# KiCad board netrazr_rev2-Left.kicad_pcb
title: NetRazr Keyboard; rev: 2; note: Split KB for use in NetRazr Cyberdeck.
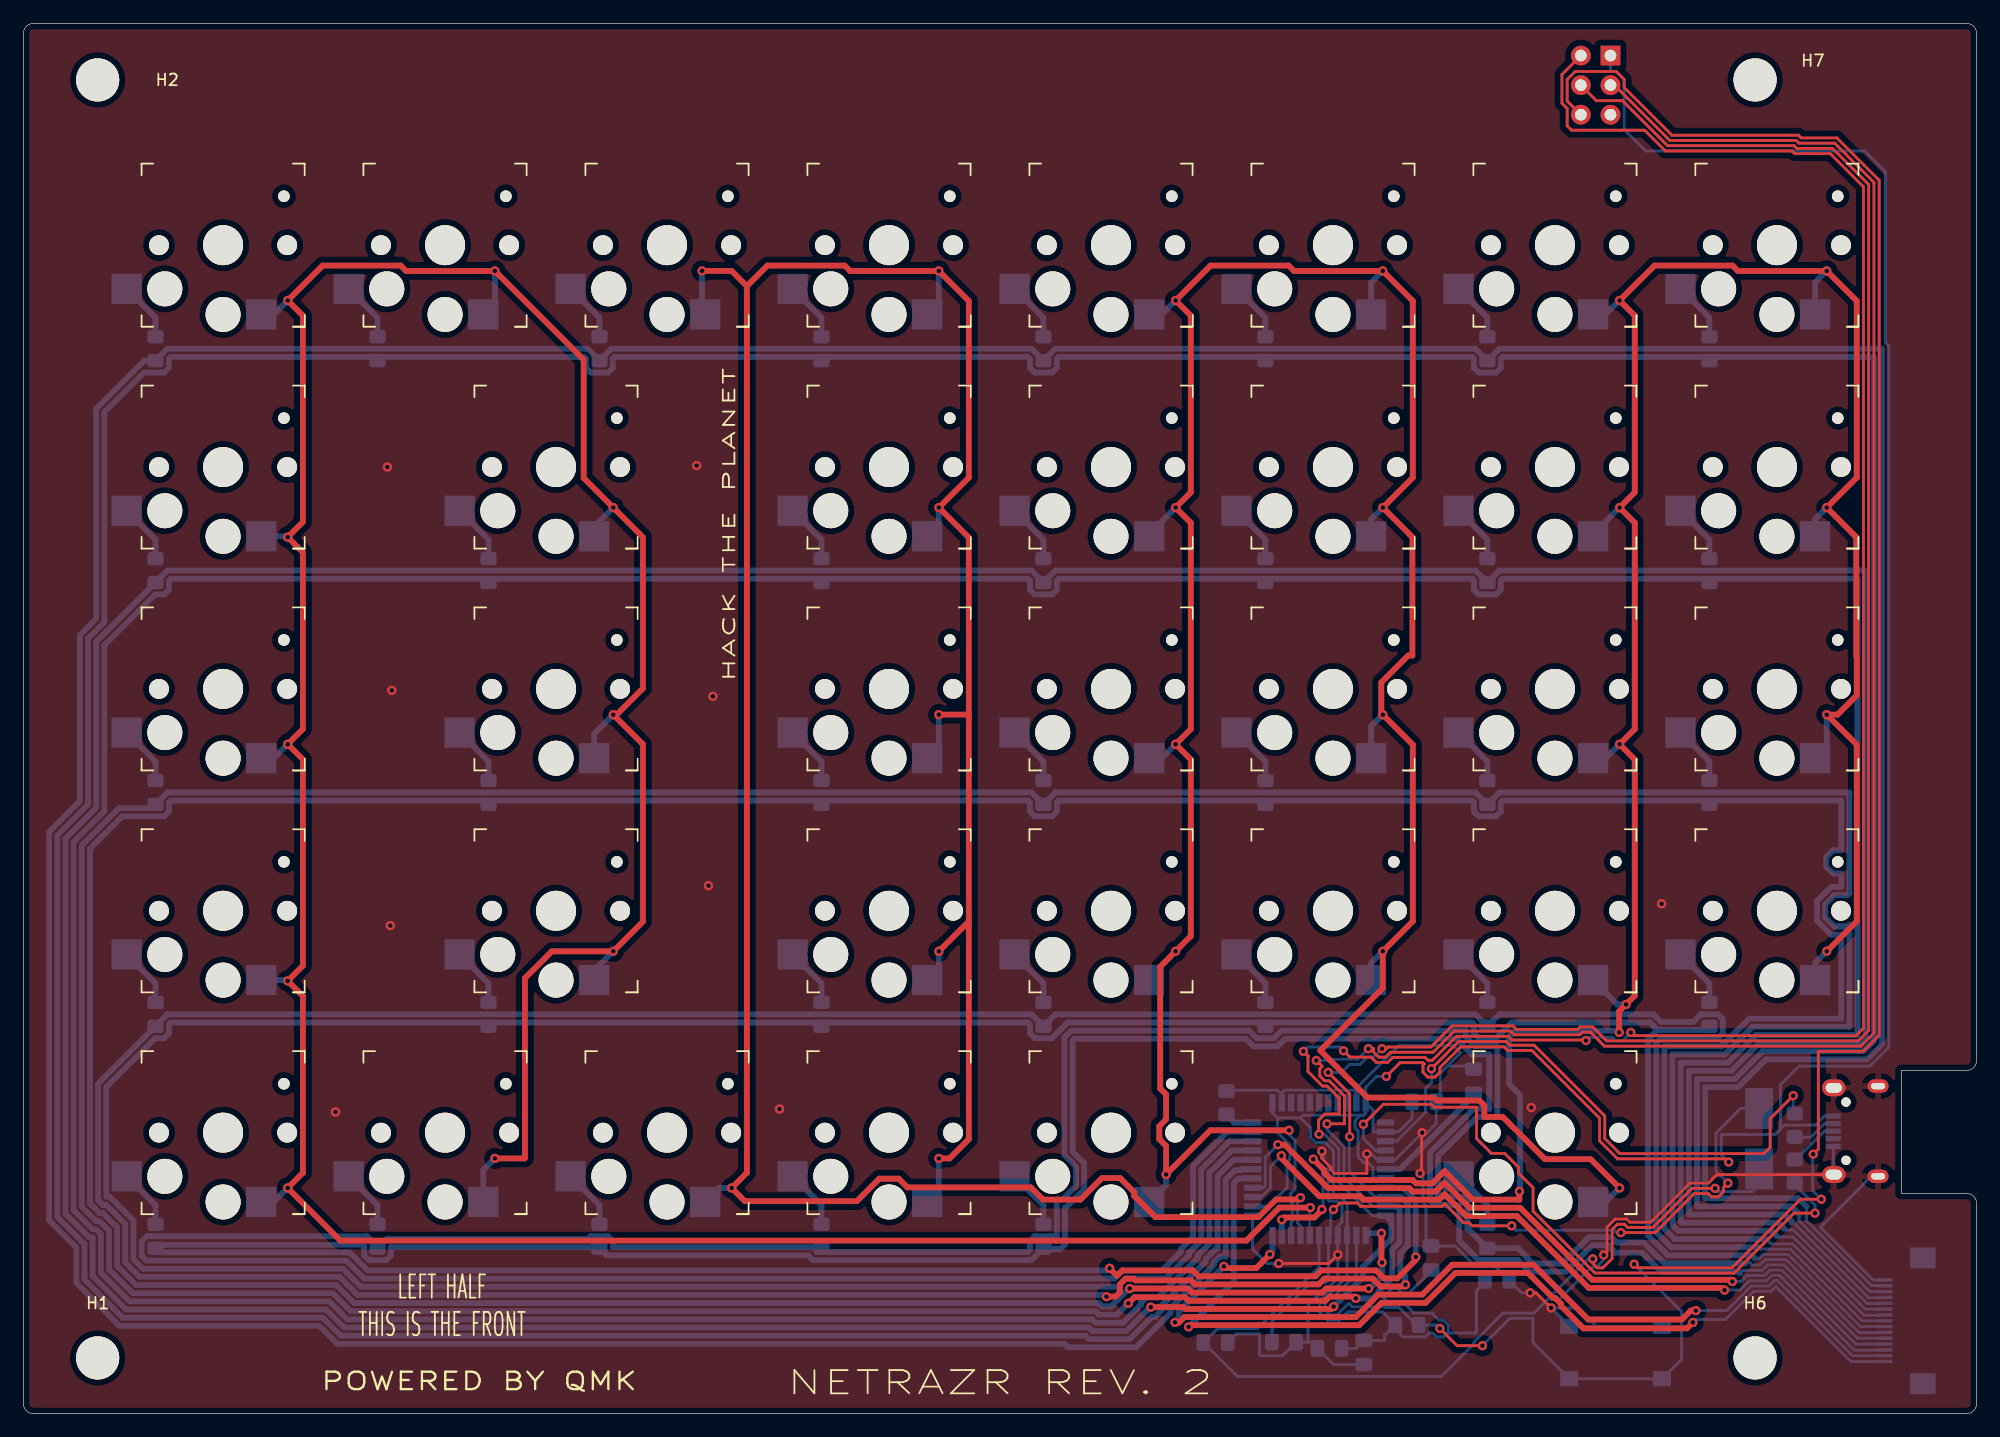
[diagram p0: board, top side]
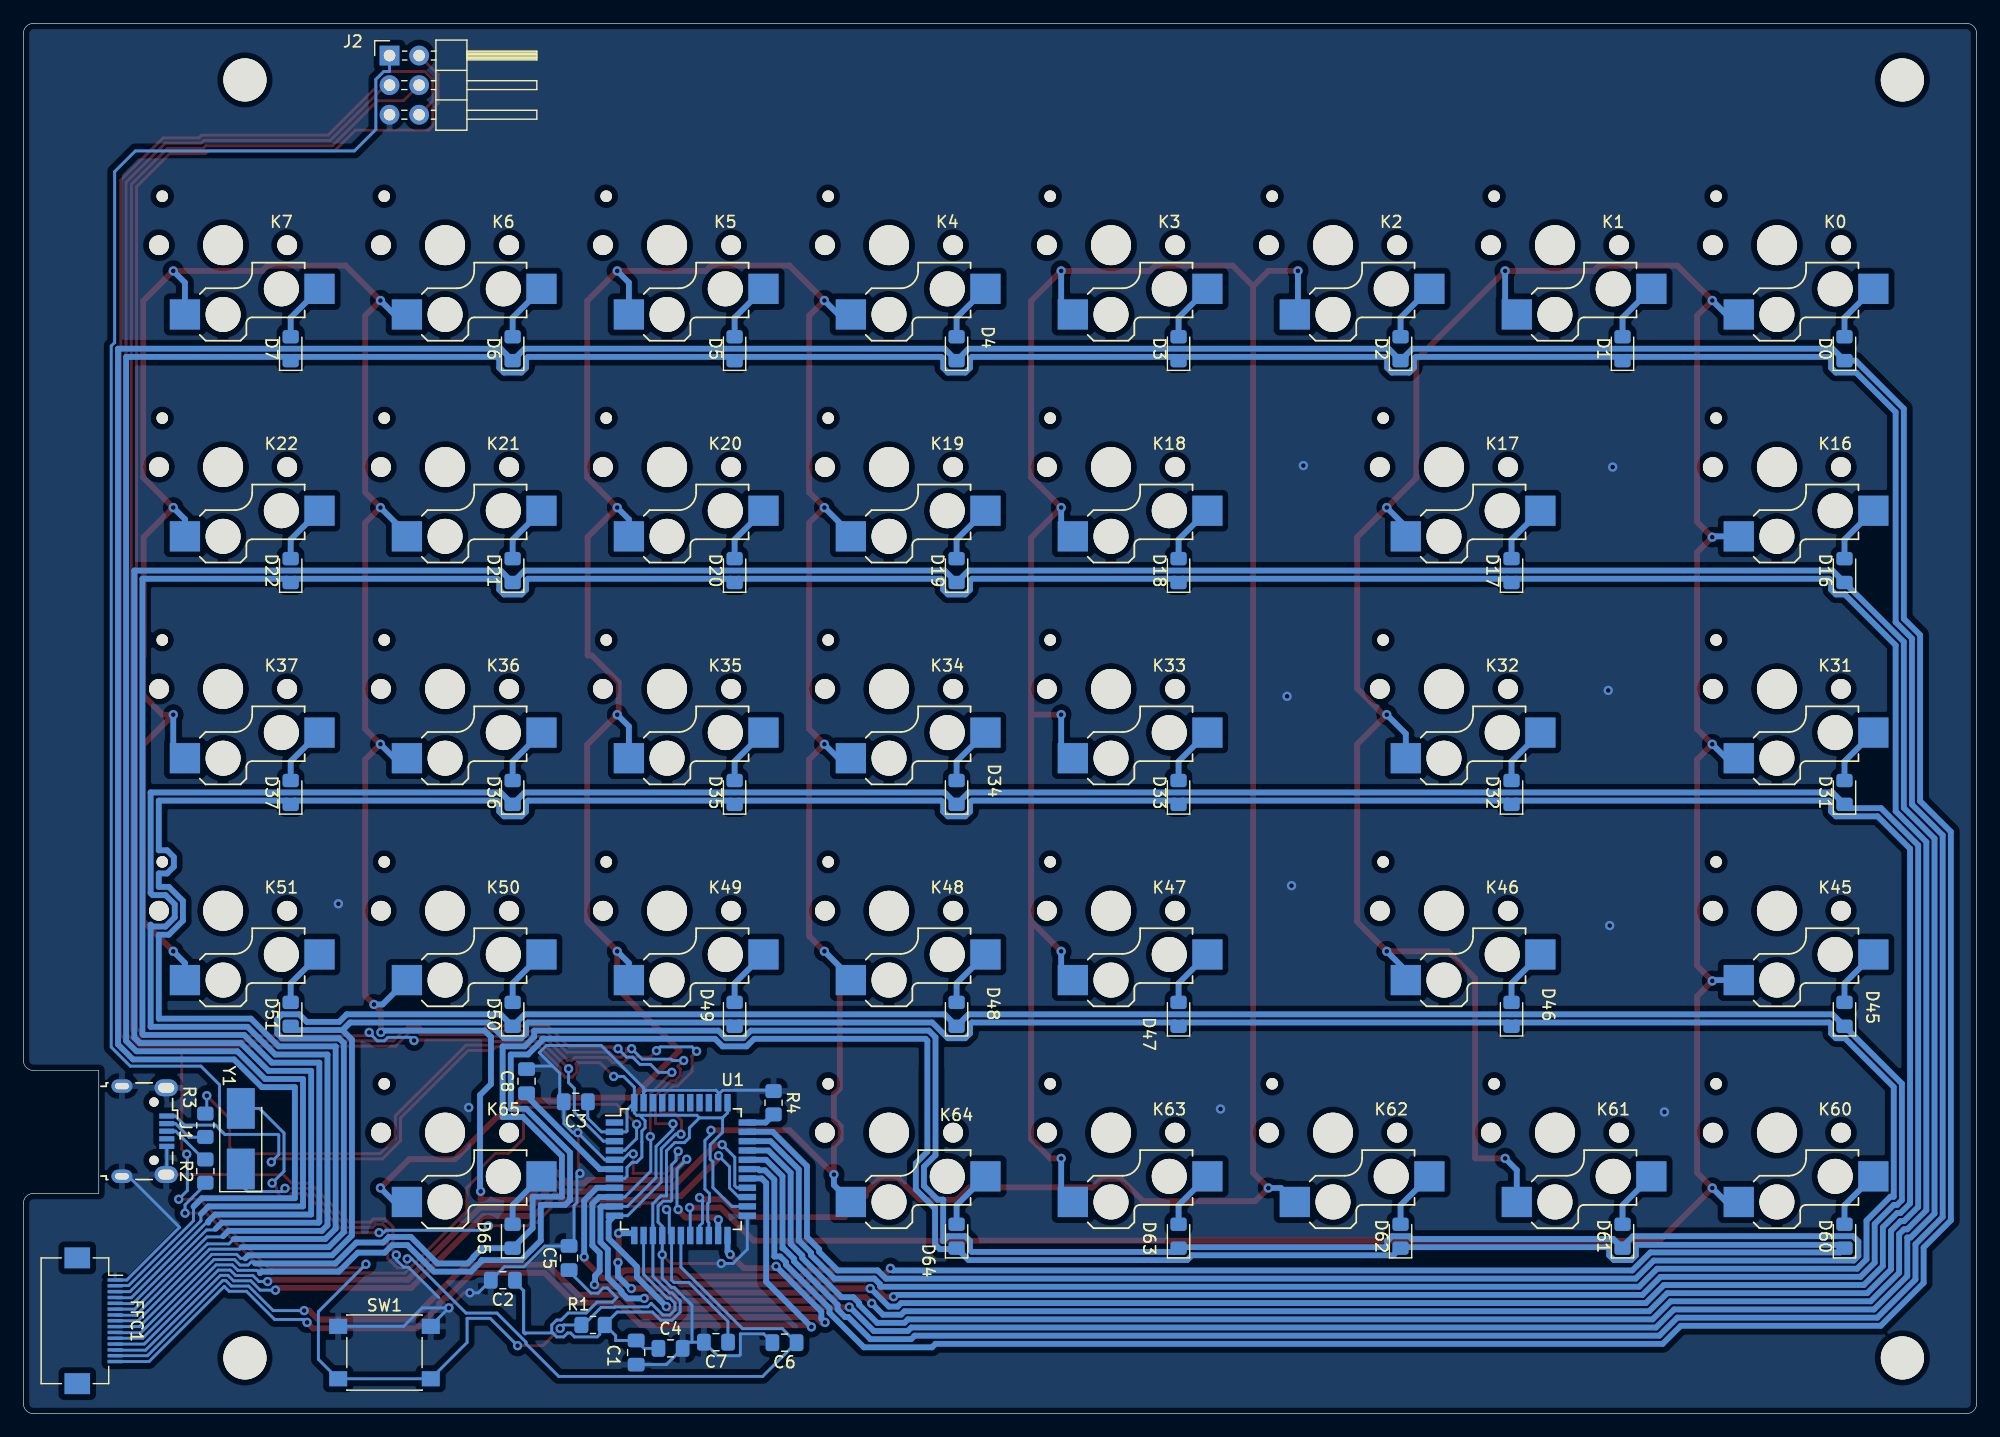
[diagram p1: board, bottom side, seen from below]

Outline 167.64 x 119.38 mm; copper layers: Top, Bottom. Coordinates in mm from the lower left corner of the outline.
Outline path: 0,118.49 0,0.89 arc(0.26,0.26) 0.89,0 166.75,0 arc(167.38,0.26) 167.64,0.89 167.64,18.03 arc(167.38,18.66) 166.75,18.92 161.16,18.92 161.16,29.46 166.75,29.46 arc(167.38,29.72) 167.64,30.35 167.64,118.49 arc(167.38,119.12) 166.75,119.38 0.89,119.38 arc(0.26,119.12) 0,118.49

## Placement (name value [footprint] x y rotation side)
C1  0.1u  [C_0805_2012Metric_Pad1.18x1.45mm_HandSolder]  115.05 5.25 270 bottom
C2  0.1u  [C_0805_2012Metric_Pad1.18x1.45mm_HandSolder]  126.48 11.46 0 bottom
C3  0.1u  [C_0805_2012Metric_Pad1.18x1.45mm_HandSolder]  120.23 26.78 0 bottom
C4  0.1u  [C_0805_2012Metric_Pad1.18x1.45mm_HandSolder]  112.1 5.61 180 bottom
C5  4.7u  [C_0805_2012Metric_Pad1.18x1.45mm_HandSolder]  120.8 13.37 90 bottom
C6  22p  [C_0805_2012Metric_Pad1.18x1.45mm_HandSolder]  102.32 6.1 0 bottom
C7  22p  [C_0805_2012Metric_Pad1.18x1.45mm_HandSolder]  108.2 6.14 0 bottom
C8  1u  [C_0805_2012Metric_Pad1.18x1.45mm_HandSolder]  124.45 28.55 90 bottom
D0  D  [D_0805_2012Metric_Pad1.15x1.40mm_HandSolder]  11.35 91.44 90 bottom
D1  D  [D_0805_2012Metric_Pad1.15x1.40mm_HandSolder]  30.39 91.44 90 bottom
D2  D  [D_0805_2012Metric_Pad1.15x1.40mm_HandSolder]  49.45 91.44 90 bottom
D3  D  [D_0805_2012Metric_Pad1.15x1.40mm_HandSolder]  68.5 91.44 90 bottom
D4  D  [D_0805_2012Metric_Pad1.15x1.40mm_HandSolder]  87.55 91.44 90 bottom
D5  D  [D_0805_2012Metric_Pad1.15x1.40mm_HandSolder]  106.6 91.44 90 bottom
D6  D  [D_0805_2012Metric_Pad1.15x1.40mm_HandSolder]  125.64 91.44 90 bottom
D7  D  [D_0805_2012Metric_Pad1.15x1.40mm_HandSolder]  144.69 91.44 90 bottom
D16  D  [D_0805_2012Metric_Pad1.15x1.40mm_HandSolder]  11.35 72.39 90 bottom
D17  D  [D_0805_2012Metric_Pad1.15x1.40mm_HandSolder]  39.92 72.39 90 bottom
D18  D  [D_0805_2012Metric_Pad1.15x1.40mm_HandSolder]  68.5 72.39 90 bottom
D19  D  [D_0805_2012Metric_Pad1.15x1.40mm_HandSolder]  87.55 72.39 90 bottom
D20  D  [D_0805_2012Metric_Pad1.15x1.40mm_HandSolder]  106.6 72.39 90 bottom
D21  D  [D_0805_2012Metric_Pad1.15x1.40mm_HandSolder]  125.64 72.39 90 bottom
D22  D  [D_0805_2012Metric_Pad1.15x1.40mm_HandSolder]  144.69 72.39 90 bottom
D31  D  [D_0805_2012Metric_Pad1.15x1.40mm_HandSolder]  11.35 53.34 90 bottom
D32  D  [D_0805_2012Metric_Pad1.15x1.40mm_HandSolder]  39.92 53.34 90 bottom
D33  D  [D_0805_2012Metric_Pad1.15x1.40mm_HandSolder]  68.5 53.34 90 bottom
D34  D  [D_0805_2012Metric_Pad1.15x1.40mm_HandSolder]  87.55 53.34 90 bottom
D35  D  [D_0805_2012Metric_Pad1.15x1.40mm_HandSolder]  106.6 53.34 90 bottom
D36  D  [D_0805_2012Metric_Pad1.15x1.40mm_HandSolder]  125.64 53.34 90 bottom
D37  D  [D_0805_2012Metric_Pad1.15x1.40mm_HandSolder]  144.69 53.34 90 bottom
D45  D  [D_0805_2012Metric_Pad1.15x1.40mm_HandSolder]  11.35 34.29 90 bottom
D46  D  [D_0805_2012Metric_Pad1.15x1.40mm_HandSolder]  39.92 34.29 90 bottom
D47  D  [D_0805_2012Metric_Pad1.15x1.40mm_HandSolder]  68.5 34.29 90 bottom
D48  D  [D_0805_2012Metric_Pad1.15x1.40mm_HandSolder]  87.55 34.29 90 bottom
D49  D  [D_0805_2012Metric_Pad1.15x1.40mm_HandSolder]  106.6 34.29 90 bottom
D50  D  [D_0805_2012Metric_Pad1.15x1.40mm_HandSolder]  125.64 34.29 90 bottom
D51  D  [D_0805_2012Metric_Pad1.15x1.40mm_HandSolder]  144.69 34.29 90 bottom
D60  D  [D_0805_2012Metric_Pad1.15x1.40mm_HandSolder]  11.35 15.24 90 bottom
D61  D  [D_0805_2012Metric_Pad1.15x1.40mm_HandSolder]  30.39 15.24 90 bottom
D62  D  [D_0805_2012Metric_Pad1.15x1.40mm_HandSolder]  49.45 15.24 90 bottom
D63  D  [D_0805_2012Metric_Pad1.15x1.40mm_HandSolder]  68.5 15.24 90 bottom
D64  D  [D_0805_2012Metric_Pad1.15x1.40mm_HandSolder]  87.55 15.24 90 bottom
D65  D  [D_0805_2012Metric_Pad1.15x1.40mm_HandSolder]  125.64 15.24 90 bottom
FFC1  -  [Hirose_FH12-15S-0.5SH_1x15-1MP_P0.50mm_Horizontal]  161.61 7.98 270 bottom
H1  MountingHole  [MountingHole_3.7mm]  6.38 4.79 0 top
H2  MountingHole  [MountingHole_3.7mm]  6.38 114.52 0 top
H6  MountingHole  [MountingHole_3.7mm]  148.62 4.79 0 top
H7  MountingHole  [MountingHole_3.7mm]  148.62 114.52 0 top
J1  USB_B_Micro  [USB_Micro-B_Wuerth_629105150521]  157.23 24.26 270 bottom
J2  Conn_02x03_Odd_Even  [PinHeader_2x03_P2.54mm_Horizontal]  136.21 116.61 180 bottom
K0  MACRO,,,,,,1  [Kailh_socket_PG1350]  17.15 100.33 0 top
K1  ESC  [Kailh_socket_PG1350]  36.2 100.33 0 top
K2  ~~,,,,,,,,,`  [Kailh_socket_PG1350]  55.25 100.33 0 top
K3  !,,f1,,,,,,,1  [Kailh_socket_PG1350]  74.3 100.33 0 top
K4  @,,f2,,,,,,,2  [Kailh_socket_PG1350]  93.35 100.33 0 top
K5  #,,f3,,,,,,,3  [Kailh_socket_PG1350]  112.39 100.33 0 top
K6  $,,f4,,,,,,,4  [Kailh_socket_PG1350]  131.44 100.33 0 top
K7  %,,f5,,,,,,,5  [Kailh_socket_PG1350]  150.5 100.33 0 top
K16  MACRO,,,,,,2  [Kailh_socket_PG1350]  17.15 81.28 0 top
K17  TAB  [Kailh_socket_PG1350]  45.72 81.28 0 top
K18  Q  [Kailh_socket_PG1350]  74.3 81.28 0 top
K19  W  [Kailh_socket_PG1350]  93.35 81.28 0 top
K20  E  [Kailh_socket_PG1350]  112.39 81.28 0 top
K21  R  [Kailh_socket_PG1350]  131.44 81.28 0 top
K22  T  [Kailh_socket_PG1350]  150.5 81.28 0 top
K31  MACRO,,,,,,3  [Kailh_socket_PG1350]  17.15 62.23 0 top
K32  CAPS  [Kailh_socket_PG1350]  45.72 62.23 0 top
K33  A  [Kailh_socket_PG1350]  74.3 62.23 0 top
K34  S  [Kailh_socket_PG1350]  93.35 62.23 0 top
K35  D  [Kailh_socket_PG1350]  112.39 62.23 0 top
K36  F  [Kailh_socket_PG1350]  131.44 62.23 0 top
K37  G  [Kailh_socket_PG1350]  150.5 62.23 0 top
K45  MACRO,,,,,,4  [Kailh_socket_PG1350]  17.15 43.18 0 top
K46  LSHIFT  [Kailh_socket_PG1350]  45.72 43.18 0 top
K47  Z  [Kailh_socket_PG1350]  74.3 43.18 0 top
K48  X  [Kailh_socket_PG1350]  93.35 43.18 0 top
K49  C  [Kailh_socket_PG1350]  112.39 43.18 0 top
K50  V  [Kailh_socket_PG1350]  131.44 43.18 0 top
K51  B  [Kailh_socket_PG1350]  150.5 43.18 0 top
K60  MACRO,,,,,,5  [Kailh_socket_PG1350]  17.15 24.13 0 top
K61  LCTRL  [Kailh_socket_PG1350]  36.2 24.13 0 top
K62  FN  [Kailh_socket_PG1350]  55.25 24.13 0 top
K63  META  [Kailh_socket_PG1350]  74.3 24.13 0 top
K64  LALT  [Kailh_socket_PG1350]  93.35 24.13 0 top
K65  LSPACE  [Kailh_socket_PG1350]  131.44 24.13 0 top
R1  10k  [R_0805_2012Metric_Pad1.20x1.40mm_HandSolder]  118.74 7.62 180 bottom
R2  22R  [R_0805_2012Metric_Pad1.20x1.40mm_HandSolder]  152.02 20.83 90 bottom
R3  22R  [R_0805_2012Metric_Pad1.20x1.40mm_HandSolder]  152.02 24.77 270 bottom
R4  10k  [R_0805_2012Metric_Pad1.20x1.40mm_HandSolder]  103.26 26.7 270 bottom
SW1  Reset_SW  [SW_Push_1P1T_NO_6x6mm_H9.5mm]  136.64 5.25 180 bottom
U1  ATmega32U4-AU  [TQFP-44_10x10mm_P0.8mm]  111.2 21 180 bottom
Y1  Crystal  [Crystal_SMD_5032-2Pin_5.0x3.2mm_HandSoldering]  148.98 23.61 90 bottom

## Footprints (pads in the part's own frame, mm; a bottom-side part is the same pattern mirrored in y, then rotated)
C_0805_2012Metric_Pad1.18x1.45mm_HandSolder
  rrect 1.175x1.45 smd: 1(-1.038,0) 2(1.038,0)
Crystal_SMD_5032-2Pin_5.0x3.2mm_HandSoldering
  rect 3.5x2.4 smd: 1(-2.6,0) 2(2.6,0)
D_0805_2012Metric_Pad1.15x1.40mm_HandSolder
  rrect 1.15x1.4 smd: 1(-1.025,0) 2(1.025,0)
Hirose_FH12-15S-0.5SH_1x15-1MP_P0.50mm_Horizontal
  rect 0.3x1.3 smd: 1(-3.5,1.85) 2(-3,1.85) 3(-2.5,1.85) 4(-2,1.85) 5(-1.5,1.85) 6(-1,1.85) 7(-0.5,1.85) 8(0,1.85) 9(0.5,1.85) 10(1,1.85) 11(1.5,1.85) 12(2,1.85) 13(2.5,1.85) 14(3,1.85) 15(3.5,1.85)
  rect 1.8x2.2 smd: MP(-5.4,-1.4) MP(5.4,-1.4)
Kailh_socket_PG1350
  round 1.702 hole 1.702 unplated: (-5.5,0) (5.5,0)
  round 3 hole 3 unplated: (-5,-3.75) (0,-5.95)
  round 3.429 hole 3.429 unplated: (0,0)
  round 0.991 hole 0.991 unplated: (5.22,4.2)
  rect 2.6x2.6 smd far side: 1(3.275,-5.95) 2(-8.275,-3.75)
MountingHole_3.7mm
  round 3.7 hole 3.7 unplated: (0,0)
PinHeader_2x03_P2.54mm_Horizontal
  rect 1.7x1.7 hole 1: 1(0,0)
  oval 1.7x1.7 hole 1: 2(2.54,0) 3(0,-2.54) 4(2.54,-2.54) 5(0,-5.08) 6(2.54,-5.08)
R_0805_2012Metric_Pad1.20x1.40mm_HandSolder
  rrect 1.2x1.4 smd: 1(-1,0) 2(1,0)
SW_Push_1P1T_NO_6x6mm_H9.5mm
  rect 1.55x1.3 smd: 1(-3.975,2.25) 1(3.975,2.25) 2(-3.975,-2.25) 2(3.975,-2.25)
TQFP-44_10x10mm_P0.8mm
  rect 1.5x0.55 smd: 1(-5.7,4) 2(-5.7,3.2) 3(-5.7,2.4) 4(-5.7,1.6) 5(-5.7,0.8) 6(-5.7,0) 7(-5.7,-0.8) 8(-5.7,-1.6) 9(-5.7,-2.4) 10(-5.7,-3.2) 11(-5.7,-4) 23(5.7,-4) 24(5.7,-3.2) 25(5.7,-2.4) 26(5.7,-1.6) 27(5.7,-0.8) 28(5.7,0) 29(5.7,0.8) 30(5.7,1.6) 31(5.7,2.4) 32(5.7,3.2) 33(5.7,4)
  rect 0.55x1.5 smd: 12(-4,-5.7) 13(-3.2,-5.7) 14(-2.4,-5.7) 15(-1.6,-5.7) 16(-0.8,-5.7) 17(0,-5.7) 18(0.8,-5.7) 19(1.6,-5.7) 20(2.4,-5.7) 21(3.2,-5.7) 22(4,-5.7) 34(4,5.7) 35(3.2,5.7) 36(2.4,5.7) 37(1.6,5.7) 38(0.8,5.7) 39(0,5.7) 40(-0.8,5.7) 41(-1.6,5.7) 42(-2.4,5.7) 43(-3.2,5.7) 44(-4,5.7)
USB_Micro-B_Wuerth_629105150521
  oval 0.8x0.8 hole 0.8 unplated: (-2.5,0.8) (2.5,0.8)
  rect 0.45x1.3 smd: 1(-1.3,1.9) 2(-0.65,1.9) 3(0,1.9) 4(0.65,1.9) 5(1.3,1.9)
  oval 1.15x1.8 hole 0.55x1.2: 6(-3.875,-1.95) 6(3.875,-1.95)
  oval 1.45x2 hole 0.85x1.4: 6(-3.725,1.85) 6(3.725,1.85)

## Nets
GND: C1.2 C2.2 C3.2 C4.2 C5.2 C6.2 C7.2 C8.2 FFC1.1 J1.5 J1.6 J2.5 R4.1 SW1.1 U1.5 U1.15 U1.23 U1.35 U1.43
VCC: C1.1 C2.1 C3.1 C4.1 C5.1 J1.1 J2.1 R1.2 U1.2 U1.7 U1.14 U1.24 U1.34 U1.44
/Col_0: K0.1 K1.1 K16.1 K17.1 K31.1 K32.1 K45.1 K46.1 K60.1 K61.1 U1.18
/Col_1: K2.1 K3.1 K18.1 K33.1 K47.1 K62.1 K63.1 U1.19
/Col_2: K4.1 K5.1 K19.1 K20.1 K34.1 K35.1 K48.1 K49.1 K64.1 K65.1 U1.20
/Col_3: K6.1 K7.1 K21.1 K22.1 K36.1 K37.1 K50.1 K51.1 U1.21
/Col_4: FFC1.13 U1.25
/Col_5: FFC1.14 U1.22
/Col_6: FFC1.12 U1.26
/Col_7: FFC1.15 U1.27
/Reset: J2.6 R1.1 SW1.2 U1.13
/Row_0: D60.1 D62.1 D64.1 FFC1.11 U1.8
/Row_1: D45.1 D48.1 D50.1 FFC1.8 J2.4 U1.9
/Row_2: D31.1 D34.1 D36.1 FFC1.6 J2.3 U1.10
/Row_3: D16.1 D19.1 D21.1 FFC1.4 J2.2 U1.11
/Row_4: D0.1 D2.1 D4.1 D6.1 FFC1.2 U1.28
/Row_5: D1.1 D3.1 D5.1 D7.1 FFC1.3 U1.29
/Row_6: D17.1 D18.1 D20.1 D22.1 FFC1.5 U1.30
/Row_7: D32.1 D33.1 D35.1 D37.1 FFC1.7 U1.12
/Row_8: D46.1 D47.1 D49.1 D51.1 FFC1.9 U1.31
/Row_9: D61.1 D63.1 D65.1 FFC1.10 U1.32
Net-(C6-Pad1): C6.1 U1.17 Y1.1
Net-(C7-Pad1): C7.1 U1.16 Y1.2
Net-(C8-Pad1): C8.1 U1.6
Net-(D0-Pad2): D0.2 K0.2
Net-(D1-Pad2): D1.2 K1.2
Net-(D2-Pad2): D2.2 K2.2
Net-(D3-Pad2): D3.2 K3.2
Net-(D4-Pad2): D4.2 K4.2
Net-(D5-Pad2): D5.2 K5.2
Net-(D6-Pad2): D6.2 K6.2
Net-(D7-Pad2): D7.2 K7.2
Net-(D16-Pad2): D16.2 K16.2
Net-(D17-Pad2): D17.2 K17.2
Net-(D18-Pad2): D18.2 K18.2
Net-(D19-Pad2): D19.2 K19.2
Net-(D20-Pad2): D20.2 K20.2
Net-(D21-Pad2): D21.2 K21.2
Net-(D22-Pad2): D22.2 K22.2
Net-(D31-Pad2): D31.2 K31.2
Net-(D32-Pad2): D32.2 K32.2
Net-(D33-Pad2): D33.2 K33.2
Net-(D34-Pad2): D34.2 K34.2
Net-(D35-Pad2): D35.2 K35.2
Net-(D36-Pad2): D36.2 K36.2
Net-(D37-Pad2): D37.2 K37.2
Net-(D45-Pad2): D45.2 K45.2
Net-(D46-Pad2): D46.2 K46.2
Net-(D47-Pad2): D47.2 K47.2
Net-(D48-Pad2): D48.2 K48.2
Net-(D49-Pad2): D49.2 K49.2
Net-(D50-Pad2): D50.2 K50.2
Net-(D51-Pad2): D51.2 K51.2
Net-(D60-Pad2): D60.2 K60.2
Net-(D61-Pad2): D61.2 K61.2
Net-(D62-Pad2): D62.2 K62.2
Net-(D63-Pad2): D63.2 K63.2
Net-(D64-Pad2): D64.2 K64.2
Net-(D65-Pad2): D65.2 K65.2
Net-(J1-Pad2): J1.2 R3.2
Net-(J1-Pad3): J1.3 R2.2
Net-(R2-Pad1): R2.1 U1.4
Net-(R3-Pad1): R3.1 U1.3
Net-(R4-Pad2): R4.2 U1.33

Pads without a net: FFC1 MP; J1 4; U1 1 36 37 38 39 40 41 42

## Via types
v1: diameter 0.8, hole 0.4, Top to Bottom, 112 vias
